# Altium PCB PCB1.PcbDoc (part 2 of 2)
Units mm, origin at the board's own origin, x right, y up, seen from the top; angles counter-clockwise.
Board outline 191 x 121 mm, 4 copper layers (Top Layer, GND, VCC, Bottom Layer), stack 0.603 mm thick; 158 components, 110 nets, 458 pads, 113 vias.
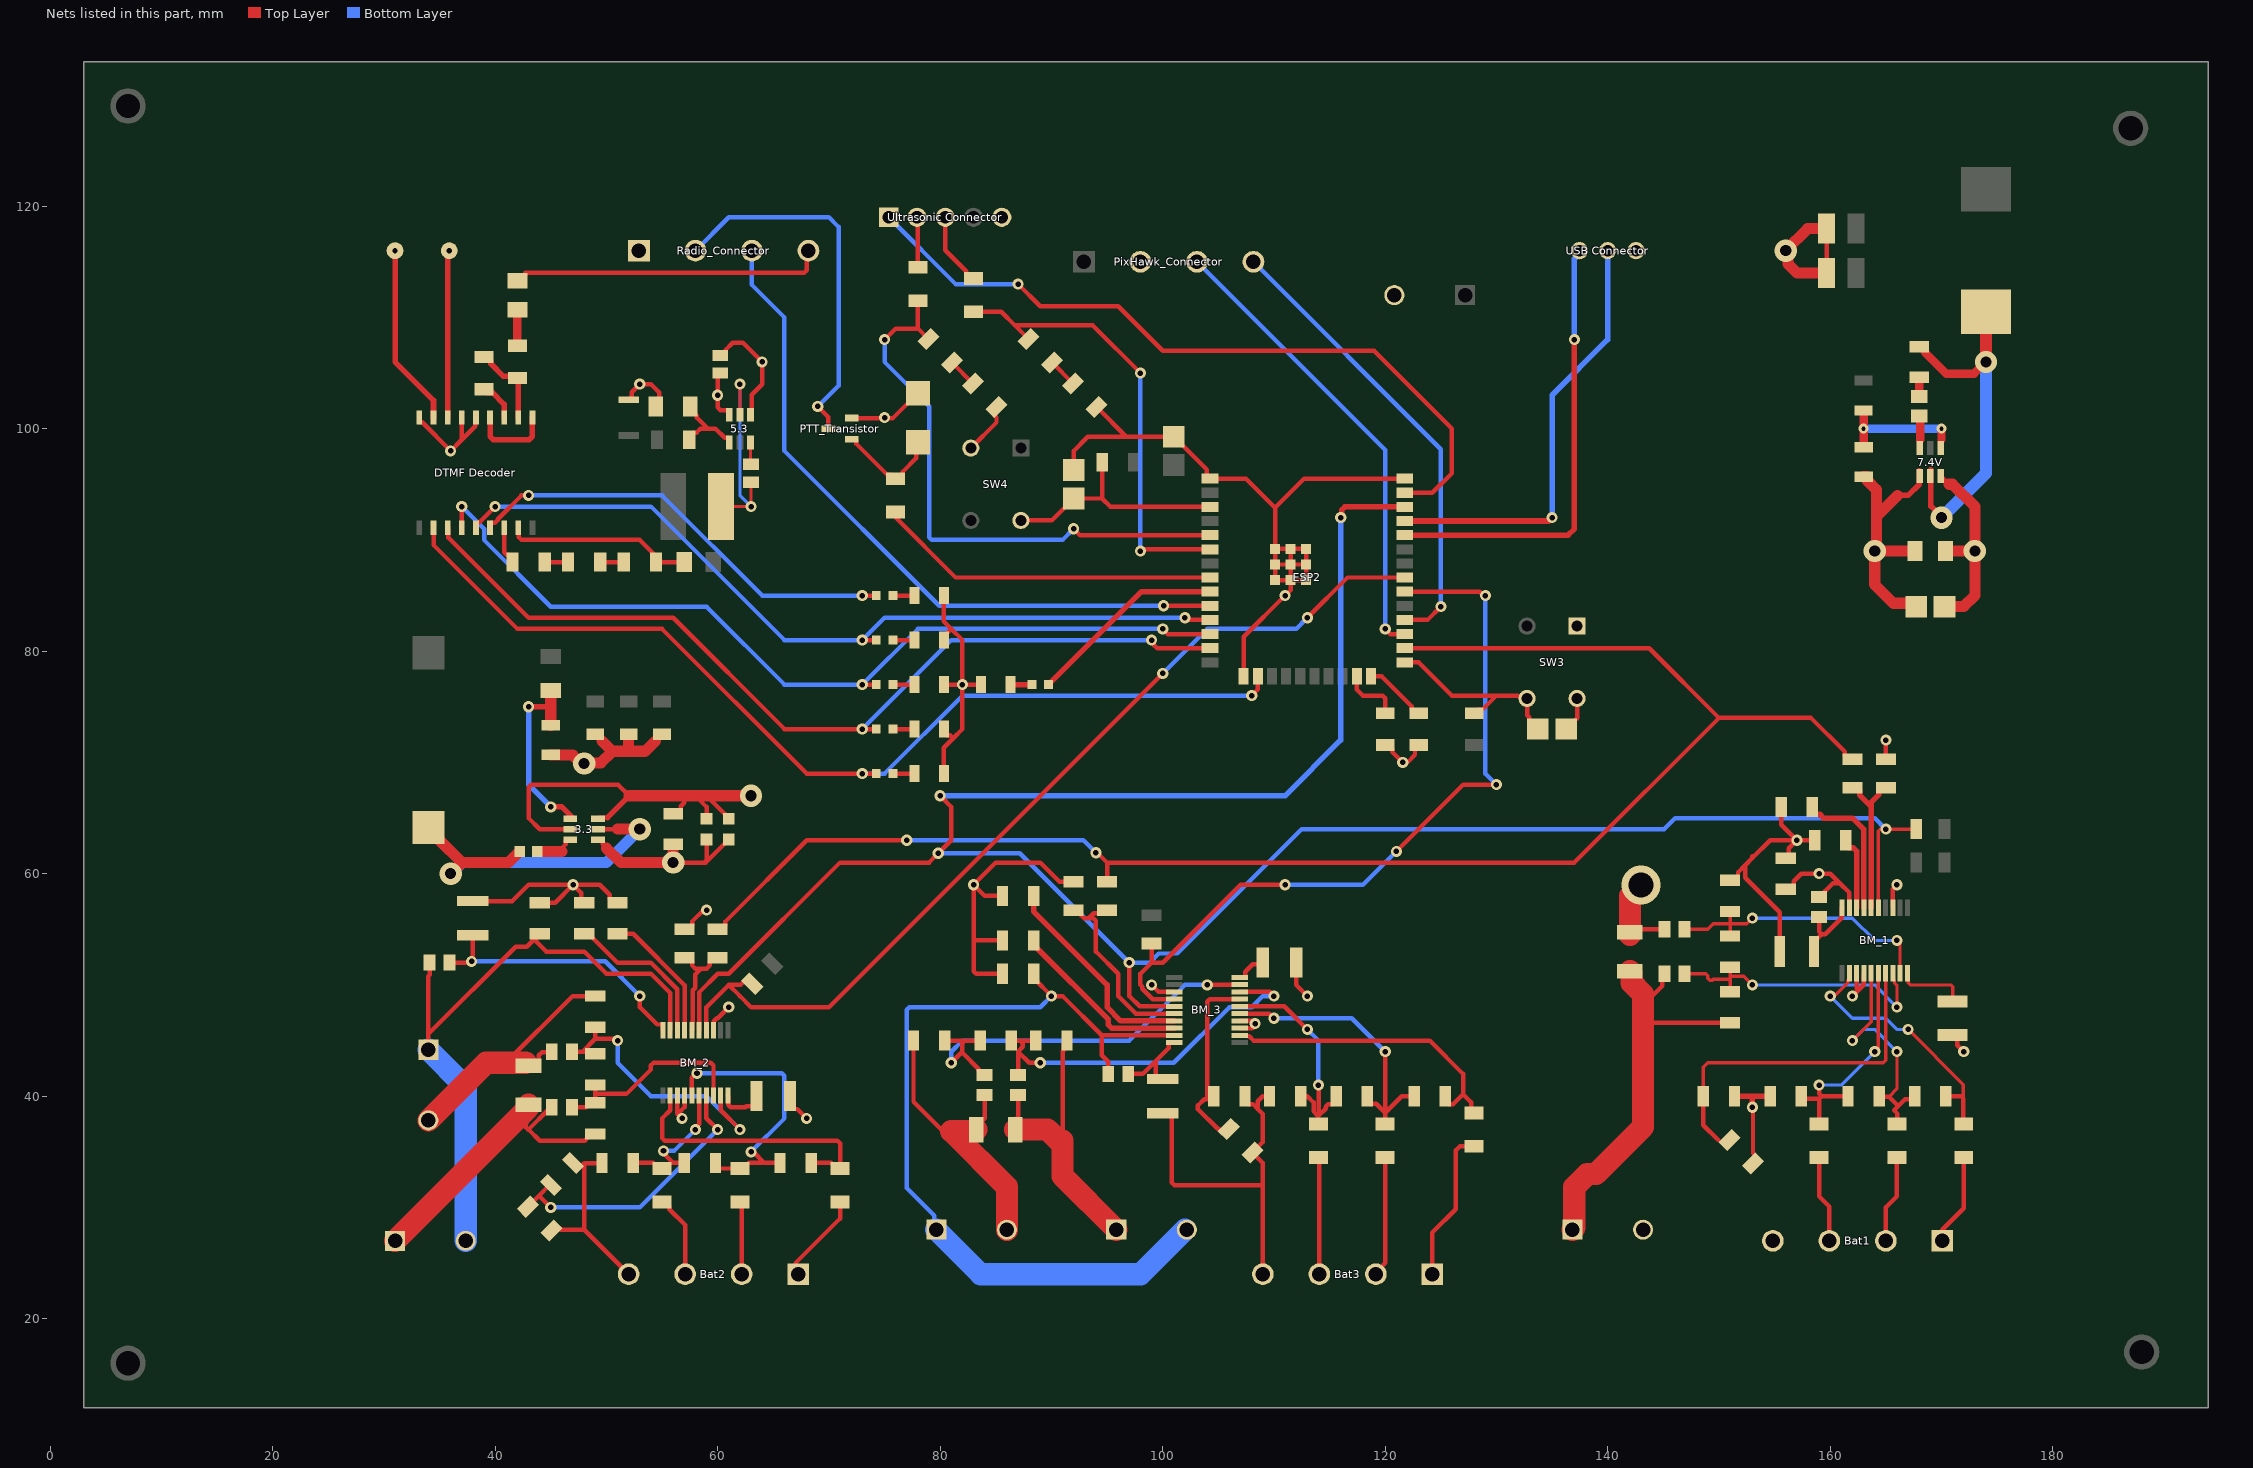
[diagram p4: the nets of this part, all layers, seen from the top]

## Via types
v1: diameter 1, hole 0.5, Top Layer to Bottom Layer, 98 vias
v2: diameter 2, hole 1, Top Layer to Bottom Layer, 6 vias
v3: diameter 2, hole 1, Top Layer to Bottom Layer, tented both sides, 4 vias
v4: diameter 0.889, hole 0.381, Top Layer to Bottom Layer, tented both sides, 2 vias
v5: diameter 1, hole 0.5, Top Layer to Bottom Layer, tented both sides, 2 vias
v6: diameter 3.5, hole 2.25, Top Layer to Bottom Layer, tented both sides, 1 vias

## Nets (pads, with @x,y where several pads share a name; then routed paths per layer and width w, separated by ;. In a path a pad name is that pad's centre, name@x,y a point inside that pad or via, vN(x,y) a via of type N, cw(c..) or ccw(c..) an arc to the next point about the centre after c; other vN are vias at no path point) (continued)
BM2_SDA: BM_2.4 ESP2.31 R39.1 | length 84.8
  Top Layer w0.4: BM_2.4@58.975,45.938 58.975,47.975 61,50 ; R39.1@63.098,50.098 62.856,50.34 62.397,50.34 62.056,50 61,50 ; v1(100,78) 70,48 63,48 62,49 61,50 ; v1(113,83) 116.62,86.62 ESP2.31@121.75,86.62
  Bottom Layer w0.4: v1(100,78) 104,82 112,82 v1(113,83)
BM3_SDA: BM_3.4 ESP2.30 R27.1 | length 70.2
  Top Layer w0.4: R27.1@99,53.725 99,52 ; BM_3.4@101.036,48.725 99.106,48.725 98.173,49.657 98.173,49.827 98,50 98,51 99,52 ; v1(111,59) 107,59 100,52 99,52 ; v1(121,62) 127,68 v1(130,68) ; ESP2.30@121.75,85.35 128.488,85.35 128.838,85 v1(129,85)
  Bottom Layer w0.4: v1(111,59) 118,59 v1(121,62) ; v1(129,85) 129,69 v1(130,68)
BM_SCL: BM_1.5 BM_2.5 BM_3.5 ESP2.36 R15.1 | length 213.5
  Top Layer w0.3: BM_1.5@164.325,56.938 164.325,63.824 164.501,64 v1(165,64) R15.1@167.725,64
  Top Layer w0.4: BM_2.5@58.325,45.938 58.325,49.325 60,51 61,51 71,61 79,61 79.832,61.832 81,63 81,66 v1(80,67) ; v1(97,52) 97,49 97.925,48.075 BM_3.5@101.036,48.075
  Top Layer w0.5: v1(116,92) 116.091,92.091 116.091,92.677 116.384,92.97 ESP2.36@121.75,92.97
  Bottom Layer w0.4: v1(79.824,61.839) 87.161,61.839 v1(97,52) 98.83,52 99.657,52.827 101.311,52.827 112.484,64 145.063,64 146.063,65 164,65 v1(165,64)
  Bottom Layer w0.5: v1(80,67) 111,67 116,72 v1(116,92)
BM_trig: ESP2.26 R20.1 R33.1 R45.1 | length 146.1
  Top Layer w0.4: R45.1@60,55 60.375,55 60.7,55.325 60.7,55.7 68,63 v1(77,63) ; v1@94,62 95,61 ; R33.1@95,59.275 95,61 ; ESP2.26@121.75,80.27 143.73,80.27 150,74 ; R20.1@162,70.275 161.625,70.275 161.3,70.6 161.3,70.975 158.275,74 150,74 ; 95,61 137,61 150,74
  Bottom Layer w0.4: v1(77,63) 92.877,63 v1(93.999,61.879)
EN: C2.2 ESP2.3 R1.2 SW4.2 | length 21.4
  Top Layer w0.4: SW4.2@87.25,91.75 90.026,91.75 91.223,92.947 91.247,92.947 92,93.7 C2.2@92,93.724 94.552,93.724 94.573,93.703 ; R1.2@94.573,97 94.573,93.703 ; ESP2.3@104.25,92.97 100.03,92.97 100,93 95.276,93 94.573,93.703
GND: 3.3.1 5.3.1 7.4V.1 "DTMF Decoder.5" "DTMF Decoder.6" "DTMF Decoder.9" "Ultrasonic Connector.5" "USB Connector.3" Bat1.4 Bat2.4 Bat3.4 Battery2_OUT.2 Battery3_OUT.2 BM_1.3 BM_1.13 BM_1.14 BM_2.3 BM_2.13 BM_2.14 BM_3.3 BM_3.13 BM_3.14 C2.1 C5.1 C6.1 C7.1 C10.1 C11.2 C12.1 C13.1 C16.1 C17.1 C18.1 C21.1 C22.2 C23.1 C24.1 C27.1 C28.1 C29.1 C32.1 C33.2 C34.1 C35.1 C38.2 C39.2 C41.2 C42.2 C43.1 C45.1 C46.1 C47.1 C48.1 C50.1 C51.1 C52.1 C53.2 D1.1 ESP2.1 ESP2.15 ESP2.38 ESP2.39 ESP2.40 ESP2.41 ESP2.42 ESP2.43 ESP2.44 ESP2.45 ESP2.46 ESP2.47 PixHawk_Connector.2 PTT_Transistor.2 R2.1 R3.1 R9.1 R10.1 R11.1 R12.1 R13.1 R16.2 R21.1 R23.2 R24.1 R26.1 R28.2 R32.2 R34.1 R36.1 R38.1 R40.2 R44.2 R46.1 R48.1 R50.1 R53.1 R55.1 R57.1 R62.2 R64.2 R65.1 Radio_Connector.1 SW3.1 SW4.3 Walkie_Talkie.2 | length 431.7
  Top Layer w0.4: 33.19,101 33.19,100.62 33.245,100.565 33.435,100.565 v1(36,98) 37,99 ; 37,101 37,99 ; C34.1@38,57.54 41.54,57.54 43,59 v1(47,59) ; 38.27,101 38.215,100.945 38.215,100.215 37,99 ; 40.963,43 46.963,49 C35.1@49,49 ; R50.1@42.75,43 R50.1@43,42.75 43.474,42.75 43.924,43.2 43.924,43.674 44.209,43.959 45.059,43.959 R48.1@45.1,44 ; C29.1@44,57.4 45.4,57.4 v1(47,59) ; R44.2@44.837,28 44.971,28.134 45.785,28.134 45.919,28 48,28 ; C33.2@46.99,33.99 47.273,33.707 47.711,33.707 47.994,33.99 ; C28.1@48,57.4 47.724,57.676 47.724,58.276 v1(47,59) ; C50.1@49,72.525 49.275,72.525 49.6,72.2 49.6,71.925 ; 3.3.1@49.25,63.05 49.575,63.05 49.675,62.95 49.675,62.625 50.015,62.285 ; C32.1@49.6,34 49.59,33.99 47.994,33.99 ; C27.1@51,57.4 50.6,57.4 50.29,57.71 50.29,58.11 49.4,59 v1(47,59) ; Bat2.4@52,24 48,28 ; C45.1@52,102.6 52.276,102.876 52.276,103.276 v1(53,104) 54,104 54.734,103.266 R55.1@54.734,102.316 ; 54.4,71.925 54.4,72.2 54.725,72.525 C52.1@55,72.525 ; R55.1@54.45,102.6 R55.1@54.734,102.316 ; v2(56,61) 58.766,61 ; BM_2.13@56.375,40.062 56.375,38.425 v1@56.566,38.234 ; v1(56.8,38) v1@56.566,38.234 ; R46.1@57,55 57.375,55 57.7,55.325 57.7,55.7 58.725,56.725 v1(59,56.725) ; BM_2.14@57.025,40.062 57.025,39.025 56.566,38.566 v1@56.566,38.234 ; C47.1@59,63.075 59,61.234 58.766,61 ; BM_2.3@59.625,45.938 59.65,45.963 59.65,46.738 59.915,47.003 60.003,47.003 v1(61,48) ; C43.1@60.215,106.58 60.43,106.58 60.71,106.86 60.71,107.075 61.364,107.729 61.939,107.729 62.271,107.729 v1(64,106) 64,104 63.05,103.05 63.05,101.35 5.3.1@62.95,101.25 ; C46.1@61,63.075 58.925,61 58.766,61 ; R40.2@66.5,40 66.5,39.2 66.85,38.85 67.15,38.85 v1(68,38) ; PTT_Transistor.2@72.05,100.955 75.755,100.955 77.1,102.3 77.125,102.3 78,103.175 D1.1@78,103.2 ; C24.1@77.91,45.31 C24.1@77.6,45 77.6,39.504 80.104,37 81,37 ; R9.1@80.325,69 80.325,71.325 81.163,72.162 ; R10.1@80.325,73 80.325,72.675 80.575,72.425 80.9,72.425 81.162,72.162 ; R11.1@80.325,77 v1(82,77) ; R12.1@80.325,81 80.575,81.25 80.575,81.575 81,82 ; R13.1@80.325,85 80.325,82.675 81,82 ; SW4.3@82.75,98.25 85.061,100.561 85.061,101.02 84.866,101.215 84.866,101.745 R62.2@85.061,101.939 ; R38.1@83.125,37.125 84,38 R36.1@84,40.1 ; R65.1@83.675,77 v1(82,77) ; C18.1@85.6,51 83.234,51 83,51.234 83,54 ; C17.1@85.6,54 83,54 ; C16.1@85.6,58 84,58 v1(83,59) ; R34.1@92,59.275 90.725,59.275 89,61 85,61 v1(83,59) ; C2.1@92,96.276 92,98 93.276,99.276 96.724,99.276 ; R64.2@94.061,101.939 96.724,99.276 ; v1(99,50) 99.625,49.375 BM_3.3@101.036,49.375 ; C23.1@100,38.46 100.566,38.46 100.826,38.2 100.826,32.234 101.06,32 109,32 ; BM_3.13@106.912,46.125 108.075,46.125 108.31,46.359 v1(108.31,46.525) 108.31,46.69 108.225,46.775 BM_3.14@106.912,46.775 ; ESP2.15@107.285,77.75 107.285,81.285 v1(111,85) 111.5,85.5 ESP2.44@111.5,86.39 ; C22.2@107.4,40 107.4,39.6 107.71,39.29 108.11,39.29 108.555,38.845 ; Bat3.4@109,24 109,32 ; 109,40 108.555,39.555 108.555,38.845 ; R28.2@112,52 112,50 v1(113,49) ; R2.1@120,71.573 120.302,71.573 120.631,71.244 120.631,70.942 v1(121.573,70) 122,70 122.678,70.678 122.678,71.251 R3.1@123,71.573 ; ESP2.38@121.75,95.51 112.71,95.51 110.1,92.9 ; R26.1@142,54.5 142.5,54.5 143,55 R24.1@145.1,55 ; C13.1@151,59.4 151.4,59.4 151.71,59.71 151.71,60.11 152.355,60.755 ; v1(153,39) 153.061,38.939 153.061,34.859 153.255,34.664 153.255,34.134 R23.2@153.061,33.939 ; 153,61.555 153,61.4 ; C12.1@155.46,53 155.46,56.54 152.355,59.645 152.355,60.755 ; C5.1@155.6,66 155.6,64.4 v1(157,63) ; C7.1@156,61.4 156.276,61.676 156.276,62.276 v1(157,63) ; C6.1@158.6,63 v1(157,63) ; C41.2@159.675,114 C42.2@159.675,118 ; v1(162,49) 162.512,49.512 ; BM_1.13@162.375,51.062 162.375,49.65 162.512,49.512 ; BM_1.14@163.025,51.062 163.025,50.025 162.512,49.512 ; R21.1@165,70.275 v1(165,72) ; BM_1.3@165.625,56.938 165.625,58.625 v1(166,59) ; R16.2@171,45.5 171.066,45.5 171.416,45.15 171.416,44.584 v1(172,44) ; 47.994,33.99 47.994,28.006 48,28 ; R55.1@54.734,102.316 54.75,102.3 54.9,102.15 54.9,102 54.734,102.166 R55.1@54.734,102.316 ; 81,82 82,81 v1(82,77) ; 81.163,72.162 82,73 v1(82,77) ; 83,54 v1(83,59) ; 96.724,99.276 97.138,99.276 C53.2@101,99.276 101,99.252 101.753,98.499 101.777,98.499 103.95,96.326 103.95,95.76 104.2,95.51 ESP2.1@104.25,95.51 107.49,95.51 110.1,92.9 ; 108.555,38.845 109,38.4 109,35.879 R32.2@108.061,34.939 109,34 109,32 ; ESP2.42@110.1,87.79 ESP2.41@110.1,89.19 ; ESP2.42@110.1,87.79 ESP2.43@110.1,86.39 ESP2.44@111.5,86.39 ; ESP2.42@110.1,87.79 ESP2.39@111.5,87.79 ; ESP2.41@110.1,89.19 110.1,92.9 ; ESP2.41@110.1,89.19 ESP2.40@111.5,89.19 ; ESP2.44@111.5,86.39 ESP2.39@111.5,87.79 ; ESP2.44@111.5,86.39 ESP2.45@112.9,86.39 ESP2.46@112.9,87.79 ; ESP2.39@111.5,87.79 ESP2.40@111.5,89.19 ; ESP2.39@111.5,87.79 ESP2.46@112.9,87.79 ; ESP2.40@111.5,89.19 ESP2.47@112.9,89.19 ESP2.46@112.9,87.79 ; 152.355,60.755 153,61.4 ; 153,61.4 154.6,63 v1(157,63)
  Top Layer w0.5: C11.2@151.4,40 153,40 ; v1(153,39) 153,40 ; C10.1@154.6,40 153,40 ; 166.05,94 167,94 168,95 168,95.75 7.4V.1@168,96.2
  Top Layer w1: R57.1@45,70.674 46.97,70.674 47.729,69.914 v2(48,69.914) 48.048,69.962 49.487,69.962 50.525,71 ; 49.6,71.925 50.525,71 ; 50.015,62.285 51.3,61 v2(56,61) ; C51.1@52,72.525 52,71.234 51.766,71 ; 54.4,71.925 53.475,71 51.766,71 ; v2@56,61.086 C48.1@56,62.63 ; C41.2@159.675,114 157,114 156.191,114.809 156.191,115.809 v2(156,116) 157.984,117.984 159.658,117.984 C42.2@159.675,118 ; R53.1@163,95.674 163.307,95.674 163.329,95.652 163.329,95.345 164.168,94.506 164.168,92.368 164.168,91.168 164.168,89.168 v2(164,89) ; 164.168,92.118 166.05,94 ; C39.2@167.447,89 v2(164,89) ; C38.2@167.448,84 167.146,84.302 165.698,84.302 164,86 v2(164,89) ; 50.525,71 51.766,71
  Top Layer w2: Battery2_OUT.2@34,37.825 39.175,43 40.963,43 R50.1@42.75,43 ; R38.1@83.25,37 83.1,36.85 81,36.85 86,31.85 Battery3_OUT.2@86,28 ; R26.1@142,54.5 R26.1@142,54.75 142,58 v6(143,59)
  other v1: 75,101
GND_BAT_1: Battery1.1 C15.2 R25.1 R26.2 | length 38.9
  Top Layer w0.4: R26.2@142,51.25 142.474,51.25 142.924,50.8 142.924,50.326 ; 143.18,47 143.58,46.6 C15.2@151,46.6 ; 144,49 144.909,49.909 144.909,50.809 R25.1@145.1,51
  Top Layer w2: Battery1.1@136.825,28 137,28.175 137,31.828 138.172,33 138.958,33 143.18,37.222 143.18,47 143.18,49.158 142.135,50.203 142.135,51.115 R26.2@142,51.25
GND_BAT_2: Battery2_IN.1 C37.2 R49.1 R50.2 | length 29.5
  Top Layer w0.4: R50.2@43,39.25 43.121,39.25 43.356,39.016 43.371,38.835 43.356,38.8 42.757,37.453 42.757,37.202 42.959,37 43,37 ; R49.1@45.1,39 44.775,38.775 43,37 ; C37.2@49,36.6 48.6,36.6 48.29,36.29 48.29,36.234 48.056,36 44,36 43,37
  Top Layer w2: Battery2_IN.1@31,27 43,39 R50.2@43,39.25
GND_BAT_3: Battery3_IN.1 C26.2 R37.1 R38.2 | length 26.7
  Top Layer w0.4: R38.2@86.9,37.15 86.9,38.031 87,38.131 R37.1@87,40.1 ; 90.327,36.327 91,37 91,44.056 91.09,44.146 91.09,44.69 C26.2@91.4,45
  Top Layer w2: R38.2@86.75,37 89.653,37 90.327,36.327 90.825,35.828 ; 91,36 91,32.825 Battery3_IN.1@95.825,28
GND_MIC: PTT_Transistor.3 Radio_Connector.2 | length 33.8
  Top Layer w0.4: v1(69,102) 69.95,101.05 PTT_Transistor.3@69.95,100
  Bottom Layer w0.4: Radio_Connector.2@58,116 61,119 70,119 70.865,118.135 70.865,103.865 v1(69,102)
IO0: C1.2 ESP2.25 R66.1 SW3.4 | length 18.5
  Top Layer w0.4: ESP2.25@121.75,79 123,79 125.991,76.009 130,76.009 ; R66.1@128,74.427 128.329,74.756 128.747,74.756 130,76.009 ; C1.2@134.021,72.979 133.721,72.979 132.947,73.753 132.947,74.053 132.75,74.25 SW3.4@132.75,75.75 132.532,75.968 131.987,75.968 131.946,76.009 130,76.009
Morse_LED: DL6.2 ESP2.9 | length 18
  Top Layer w0.5: DL6.2@89.75,77 98.1,85.35 ESP2.9@104.25,85.35
Net3.3_2: 3.3.2 C49.2 L3.1 | length 34
  Top Layer w0.4: 37,61 37.15,61.15 ; 3.3.2@49.25,64 51,64
  Top Layer w1: L3.1@34,64.15 34.95,63.2 34.95,63.05 37,61 ; v3(36,60) 37,61 ; C49.2@42.2,62 41.2,61 37,61 ; 51,64 v3(53,64)
  Bottom Layer w1: v3(36,60) 36.086,60 37.086,61 50,61 v3(53,64)
Net3.3_4: 3.3.4 R56.1 R57.2 | length 17.4
  Top Layer w0.5: v5(43,75) 45,75 ; v5(45,66) 46,66 3.3.4@47,65
  Top Layer w1: R57.2@45,73.326 45,75 R56.1@45,76.474
  Bottom Layer w0.5: v5(43,75) 43,68 v5(45,66)
Net3.3_6: 3.3.6 C49.1 | length 3.8
  Top Layer w0.4: 46,62 46,62.3 46.325,62.625 46.325,62.95 46.425,63.05 3.3.6@46.75,63.05
  Top Layer w1: C49.1@43.8,62 46,62
Net5.3_2: 5.3.2 C44.2 L2.1 | length 19.1
  Top Layer w0.3: L2.1@60.3,93 v1(63,93) C44.2@63,95.19 ; 5.3.2@62,101.25 v1(62,104)
  Bottom Layer w0.3: v1(62,104) 62,94 v1(63,93)
Net5.3_4: 5.3.4 R54.1 R55.2 | length 7.6
  Top Layer w0.4: R54.1@57.45,99 57.45,99.3 57.8,99.65 58.1,99.65 58.45,100 59.125,100 ; R55.2@57.55,102 57.55,101.75 58.125,101.175 58.125,101 59.125,100 ; 5.3.4@61.05,98.75 61.05,99.075 60.95,99.175 60.625,99.175 59.8,100 59.125,100
Net5.3_6: 5.3.6 C44.1 | length 2
  Top Layer w0.3: 5.3.6@62.95,98.75 62.95,96.86 C44.1@63,96.81
Net7.4V_2: 7.4V.2 C40.2 L1.1 | length 32.4
  Top Layer w0.5: 7.4V.2@169.05,96.3 169.05,93.043 170,92.093 v3(170,92)
  Top Layer w0.75: C40.2@168,107.37 168.13,107.37 168.525,106.975 168.525,106.845 170.422,104.948 172.936,104.948 173.988,106 v3(174,106)
  Top Layer w1.1: v3(174,106) L1.1@174,110.5
  Bottom Layer w1.1: v3(170,92) 174,96 v3(174,106)
Net7.4V_4: 7.4V.4 R52.1 R53.2 | length 11.3
  Top Layer w0.75: R53.2@163,98.326 v4(163,100) R52.1@163,101.65 ; 170,99 v4(170,100)
  Bottom Layer w0.75: v4(163,100) v4(170,100)
Net7.4V_6: 7.4V.6 R51.1 | length 2.1
  Top Layer w0.75: 168.1,99 R51.1@168.1,101.097
NetBat1_1: Bat1.1 R17.2 | length 7.3
  Top Layer w0.4: 170.08,28 172,29.92 R17.2@172,34.5
NetBat1_2: Bat1.2 R18.2 | length 7.4
  Top Layer w0.4: 165,28 165,30 166,31 R18.2@166,34.5 ; R18.2@165.35,34.125 R18.2@165.725,34.5
NetBat1_3: Bat1.3 R19.2 | length 6.9
  Top Layer w0.4: R19.2@159,34.5 159,31 159.92,30.08 159.92,28
NetBat2_1: Bat2.1 R41.2 | length 8.3
  Top Layer w0.4: Bat2.1@67.24,24 67,24.24 67,25 71,29 R41.2@71,30.5
NetBat2_2: Bat2.2 R42.2 | length 6.6
  Top Layer w0.4: R42.2@62,30.5 62.16,30.34 Bat2.2@62.16,24
NetBat2_3: Bat2.3 R43.2 | length 7.5
  Top Layer w0.4: R43.2@55,30.5 55.275,30.5 55.65,30.125 55.65,29.85 57.08,28.42 Bat2.3@57.08,24
NetBat3_1: Bat3.1 R29.2 | length 12.8
  Top Layer w0.4: Bat3.1@124.24,24 124.24,27.74 126.35,29.85 126.35,35.125 126.725,35.5 127,35.5
NetBat3_2: Bat3.2 R30.2 | length 10.8
  Top Layer w0.4: Bat3.2@119.16,24 119.16,24.169 120,25.009 R30.2@120,34.5
NetBat3_3: Bat3.3 R31.2 | length 10.5
  Top Layer w0.4: R31.2@114,34.5 114.08,34.42 Bat3.3@114.08,24
NetBM_1_6: BM_1.6 R20.2 R21.2 | length 14.1
  Top Layer w0.5: R20.2@162,67.725 162.375,67.725 162.65,67.45 162.65,67.075 163.675,66.05 ; BM_1.6@163.675,56.938 163.675,66.05 ; R21.2@165,67.725 164.625,67.725 164.35,67.45 164.35,67.075 163.675,66.4 163.675,66.05
NetBM_1_7: BM_1.7 C5.2 | length 12.7
  Top Layer w0.5: C5.2@158.4,66 158.4,65.6 158.66,65.34 159.06,65.34 159.4,65 162,65 163.025,63.975 BM_1.7@163.025,56.938
NetBM_1_8: BM_1.8 C6.2 | length 6.7
  Top Layer w0.5: C6.2@161.4,63 161.4,62.6 161.66,62.34 162.06,62.34 162.375,62.025 BM_1.8@162.375,56.938
NetBM_1_10: BM_1.10 C12.2 R22.2 | length 6.9
  Top Layer w0.4: C12.2@158.54,53 158.54,53.95 158.8,54.21 158.879,54.21 159.234,54.566 ; R22.2@159,56.1 159,54.8 159.234,54.566 ; BM_1.10@161.075,56.938 161.05,56.913 161.05,56.05 159.566,54.566 159.234,54.566
NetBM_1_12: BM_1.12 C8.2 R17.1 | length 22.6
  Top Layer w0.3: v1(160,49) 160.134,49.134 160.501,49.134 161.577,50.21 161.577,50.401 BM_1.12@161.725,50.549 ; v1(167,46) 171.959,41.041 171.959,39.766
  Top Layer w0.4: C8.2@170.4,40 171.725,40 ; R17.1@171.959,37.541 171.959,39.766
  Bottom Layer w0.3: v1(160,49) 162,47 165,47 166,46 v1(167,46)
NetBM_1_15: BM_1.15 C8.1 C9.2 R18.1 | length 21.7
  Top Layer w0.3: v1(162,45) 163.675,46.675 BM_1.15@163.675,51.062 ; 165.288,39.953 166,40.665 v1(166,44)
  Top Layer w0.4: C9.2@164.4,39.953 165.288,39.953 166.12,39.12 ; R18.1@166.041,37.541 166.041,38.441 165.741,38.741 166.12,39.12 ; C8.1@167.324,39.724 166.724,39.724 166.12,39.12
  Bottom Layer w0.3: v1(162,45) 163,46 164,46 v1(166,44)
NetBM_1_16: BM_1.16 C9.1 C10.2 R19.1 | length 20.4
  Top Layer w0.3: v1@164.325,44.325 BM_1.16@164.325,51.062
  Top Layer w0.4: C10.2@157.634,39.766 159,39.766 ; R19.1@159,37.5 159,39.766 ; v1(159,41) 159,40.234 159.234,40 ; C9.1@161.6,40 159.234,40 ; 159,39.766 159.234,40
  Bottom Layer w0.3: v1(159,41) 161,41 v1(164,44)
NetBM_1_17: BM_1.17 C11.1 R23.1 | length 31.2
  Top Layer w0.3: C11.1@148.6,40 148.6,42.6 149,43 164.766,43 165,43.234 BM_1.17@165,51.037
  Top Layer w0.4: C11.1@148.6,39.6 148.6,37.4 149.939,36.061
NetBM_1_18: BM_1.18 C14.2 C15.1 R25.2 | length 26.1
  Top Layer w0.3: R25.2@146.9,51 148.824,51 149,50.824 149,50.6 149.176,50.424 149.424,50.424 149.5,50.5 151,50.5 ; C15.1@151,49.4 151,50.5 ; C14.2@151,51.6 151,51.05 151,50.775 ; v1(153,50) 152.225,50.775 151,50.775 ; BM_1.18@165.625,51.062 165.625,50.549 165.773,50.401 165.773,50.21 166,49.983 v1(166,48) ; 151,50.5 151,50.775
  Bottom Layer w0.3: v1(153,50) 164,50 v1(166,48)
NetBM_1_19: BM_1.19 C13.2 C14.1 R24.2 | length 25.2
  Top Layer w0.3: R24.2@146.9,55 149,55 149.5,55.5 151,55.5 ; C14.1@151,54.4 151,55.5 ; C13.2@151,56.6 151,56 151,55.5 ; v1(153,56) 152.5,55.5 151,55.5 ; BM_1.19@166.275,51.062 v1@166.275,53.725
  Bottom Layer w0.3: v1(153,56) 162,56 164,54 v1(166,54)
NetBM_1_20: BM_1.20 R16.1 | length 6.4
  Top Layer w0.3: BM_1.20@166.925,51.062 167,50.987 167,50.176 167.176,50 168,50 169.5,50 170.824,50 171,49.824 R16.1@171,48.5
NetBM_2_6: BM_2.6 R45.2 R46.2 | length 10.1
  Top Layer w0.4: R46.2@57,52.45 57.375,52.45 57.7,52.125 57.7,51.75 58,51.45 58.5,51.45 ; BM_2.6@57.675,45.938 57.7,45.963 57.7,46.637 57.773,46.71 57.773,49.518 58,49.745 58,50.95 58.5,51.45 ; R45.2@60,52.45 59.625,52.45 59.3,52.125 59.3,51.75 59,51.45 58.5,51.45
NetBM_2_7: BM_2.7 C27.2 | length 12
  Top Layer w0.4: C27.2@51,54.6 52.4,54.6 57.025,49.975 BM_2.7@57.025,45.938
NetBM_2_8: BM_2.8 C28.2 | length 14.1
  Top Layer w0.4: C28.2@48,54.6 48.4,54.6 48.71,54.29 51,52 54,52 56.375,49.625 BM_2.8@56.375,45.938
NetBM_2_10: BM_2.10 C34.2 R47.2 | length 25
  Top Layer w0.4: R47.2@35.9,52 37.766,52 v1(37.883,52.117) 38,52.234 C34.2@38,54.46 ; v1(53,49) 53,48.013 54.569,46.444 55.05,46.444 55.075,46.419 BM_2.10@55.075,45.938
  Bottom Layer w0.4: v1(37.883,52.117) 49.883,52.117 v1(53,49)
NetBM_2_12: BM_2.12 C30.2 R41.1 | length 25.3
  Top Layer w0.4: BM_2.12@55.725,40.062 55.725,38.725 55,38 55,36.234 55.234,36 70.766,36 71,35.766 R41.1@71,33.56 ; C30.2@68.4,34 70.225,34 70.725,33.5 R41.1@71,33.5
NetBM_2_15: BM_2.15 C30.1 C31.2 R42.1 | length 26
  Top Layer w0.4: BM_2.15@57.675,40.062 57.675,41.675 v1@58,42 ; C31.2@59.8,34 59.8,33.81 60.11,33.5 R42.1@62,33.5 62.275,33.5 62.775,34 64.187,34 ; v1(63,35) 63.187,35 64.187,34 ; C30.1@65.6,34 64.187,34
  Bottom Layer w0.4: v1(58.143,42.066) 65.766,42.066 66,41.832 66,38 v1(63,35)
NetBM_2_16: BM_2.16 C31.1 C32.2 R43.1 | length 13.3
  Top Layer w0.4: C32.2@52.4,34 54.225,34 54.725,33.5 R43.1@55,33.5 55.275,33.5 55.775,34 56,34 ; v1@55,35 56,34 ; C31.1@57,34 56,34 ; v1(58,37) 58,37.162 58.325,37.487 BM_2.16@58.325,40.062
  Bottom Layer w0.4: v1(55.133,35.079) 56.079,35.079 v1(58,37)
NetBM_2_17: BM_2.17 C33.1 R44.1 | length 25.8
  Top Layer w0.4: R44.1@42.939,30.061 43.939,31.061 ; v1(45,30) 43.939,31.061 ; C33.1@45.01,32.01 44.889,32.01 43.939,31.061 ; BM_2.17@58.975,40.062 58.975,38.025 v1(60,37)
  Bottom Layer w0.4: v1(45,30) 53,30 v1(60,37)
NetBM_2_18: BM_2.18 C36.2 C37.1 R49.2 | length 18.7
  Top Layer w0.4: R49.2@46.9,39 48.2,39 48.6,39.4 C37.1@49,39.4 49,40.2 ; C36.2@49,41 49,40.2 ; BM_2.18@59.625,40.062 59.625,42.766 59.391,43 54.234,43 54,42.766 54,42.4 51.8,40.2 49,40.2
NetBM_2_19: BM_2.19 C35.2 C36.1 R48.2 | length 26.2
  Top Layer w0.4: R48.2@46.9,44 47.85,44 ; C36.1@49,43.8 48.8,44 47.85,44 ; C35.2@49,46.2 49,45.15 ; v1(51,45) 50.85,45.15 49,45.15 ; BM_2.19@60.275,40.062 60.275,38.725 v1(62,37) ; 47.85,44 49,45.15
  Bottom Layer w0.4: v1(51,45) 51,43 54,40 59,40 v1(62,37)
NetBM_2_20: BM_2.20 R40.1 | length 4.2
  Top Layer w0.4: BM_2.20@60.925,40.062 60.95,40.037 60.95,39.234 61.184,39 62.5,39 62.584,39.084 63.15,39.084 63.5,39.434 R40.1@63.5,40
NetBM_3_6: BM_3.6 R33.2 R34.2 | length 17.7
  Top Layer w0.4: R34.2@92,56.725 92.375,56.725 92.7,56.4 92.7,56.234 92.934,56 93.35,56 ; R33.2@95,56.725 94.726,56.451 93.801,56.451 93.35,56 ; BM_3.6@101.036,47.425 97.575,47.425 96,49 96,51 94,53 94,55.766 93.766,56 93.35,56
NetBM_3_7: BM_3.7 C16.2 | length 19.3
  Top Layer w0.5: C16.2@88.4,58 88.4,56.6 95,50 95,48 96.225,46.775 BM_3.7@101.036,46.775
NetBM_3_8: BM_3.8 C17.2 | length 16.8
  Top Layer w0.5: C17.2@88.27,54.198 88.14,54.198 88.4,53.938 88.4,53.6 88.66,53.34 95.125,46.875 95.125,46.417 95.417,46.125 BM_3.8@101.036,46.125
NetBM_3_10: BM_3.10 C23.2 R35.2 | length 7.7
  Top Layer w0.4: R35.2@96.9,42 98.211,42 99.371,43.159 ; C23.2@100,41.54 99.631,41.54 99.371,41.8 99.371,43.159 ; BM_3.10@101.036,44.825 100.555,44.825 100.53,44.8 100.53,44.319 99.371,43.159
NetBM_3_12: BM_3.12 C19.2 R29.1 | length 27.9
  Top Layer w0.4: BM_3.12@106.912,45.475 106.937,45.45 107.611,45.45 107.684,45.377 107.785,45.377 108.161,45 124,45 127,42 127,40.174 ; C19.2@125.4,40 125.4,39.6 125.71,39.29 126.116,39.29 127,40.174 ; R29.1@128,38.5 127.734,38.766 127.734,39.441 127,40.174
NetBM_3_15: BM_3.15 C19.1 C20.2 R30.1 | length 27.1
  Top Layer w0.4: BM_3.15@106.912,47.425 109.575,47.425 v1(110,47) ; C20.2@118.4,40 C20.2@118.4,39.626 ; C20.2@118.71,39.29 118.4,39.6 C20.2@118.4,39.626 ; R30.1@120,37.5 120,38.5 ; v1(120,44) 120,38.5 ; C19.1@122.6,40 121.5,40 120,38.5 ; C20.2@118.4,39.626 118.71,39.316 119.184,39.316 120,38.5
  Bottom Layer w0.4: v1(110,47) 117,47 v1(120,44)
NetBM_3_16: BM_3.16 C20.1 C21.2 R31.1 | length 20.6
  Top Layer w0.4: BM_3.16@106.912,48.075 110.925,48.075 v1(113,46) ; C21.2@112.4,40 113,40 113.559,39.441 113.559,38.626 113.947,38.238 114.013,38.238 ; v1@114.013,40.987 114.013,38.238 ; C20.1@115.6,40 115.6,39.6 115.29,39.29 114.884,39.29 114.65,39.056 114.65,38.875 114.013,38.238
  Bottom Layer w0.4: v1(113,46) 114,45 v1(114,41)
NetBM_3_17: BM_3.17 C22.1 R32.1 | length 17.3
  Top Layer w0.4: 104,40 104,48.49 104.234,48.725 BM_3.17@106.912,48.725 ; C22.1@104.6,40 104.324,39.724 103.724,39.724 103.166,39.166 103.166,38.834 104.939,37.061 105.02,37.061 105.215,36.866 105.745,36.866 R32.1@105.939,37.061
NetBM_3_18: BM_3.18 C25.2 C26.1 R37.2 | length 34.6
  Top Layer w0.4: C25.2@86.4,45 87.2,45 ; R37.2@87,41.9 87,44 ; C26.1@88.6,45 87.2,45 ; v1(89,43) 88,43 87,44 ; BM_3.18@106.912,49.375 109.625,49.375 v1(110,49) ; 87,44 87.434,44.434 87.434,44.766 87.2,45
  Bottom Layer w0.4: v1@89.078,43 101,43 106,48 108,48 109,49 v1(110,49)
NetBM_3_19: BM_3.19 C24.2 C25.1 R36.2 | length 38.1
  Top Layer w0.4: C24.2@80.4,45 82.234,45 ; v1(81,43) 81.9,43.9 82,43.9 ; C25.1@83.6,45 82.234,45 ; R36.2@84,41.9 83.8,41.9 83.475,42.225 83.475,42.425 82,43.9 ; v1(104,50) 106.887,50 BM_3.19@106.912,50.025 ; 82,43.9 82,44.766 82.234,45
  Bottom Layer w0.4: v1(81,43) 81,44 82,45 97,45 102,50 v1(104,50)
NetBM_3_20: BM_3.20 R28.1 | length 2.9
  Top Layer w0.4: BM_3.20@106.912,50.675 107.392,50.675 107.417,50.7 107.417,51.18 108.084,51.847 108.847,51.847 R28.1@109,52
NetC1_1: C1.1 SW3.2 | length 3.2
  Top Layer w0.4: C1.1@136.276,73 136.3,73 137.053,73.753 137.053,73.777 137.25,73.974 SW3.2@137.25,75.75
NetC3_2: C3.2 R4.1 | length 3.3
  Top Layer w0.75: R4.1@42,107.45 C3.2@42,110.7
NetC4_1: "DTMF Decoder.17" C4.1 R8.2 | length 17.9
  Top Layer w0.4: 42.08,91.094 42.135,91.039 42.135,90.234 42.369,90 53,90 55,88 ; R8.2@54.45,88 55,88 ; 55.725,88 55,88 ; C4.1@57,88 55,88
NetC40_1: C40.1 R51.2 | length 1.4
  Top Layer w0.75: R51.2@168,103.246 C40.1@168,104.63
NetCO1_1: "DTMF Decoder.7" CO1.1 | length 15.1
  Top Layer w0.5: 35.735,101.005 35.73,101 35.73,115.85 CO1.1@35.88,116
NetCO1_2: "DTMF Decoder.8" CO1.2 | length 16.4
  Top Layer w0.5: CO1.2@31,116 31,106 34.46,102.54 34.46,101
NetD1_2: D1.2 PTT_Transistor.1 R58.1 | length 9.9
  Top Layer w0.4: PTT_Transistor.1@72.05,99.045 72.375,99.045 72.475,98.945 72.475,98.62 75.22,95.875 75.625,95.875 R58.1@76,95.5 76.275,95.5 76.65,95.875 76.65,96.15 77.834,97.334 77.834,98.634 D1.2@78,98.8
NetDL1_1: DL1.1 R9.2 | length 1.9
  Top Layer w0.4: DL1.1@75.75,69 77,69 R9.2@77.675,69
NetDL2_1: DL2.1 R10.2 | length 1.9
  Top Layer w0.4: DL2.1@75.75,73 R10.2@77.675,73
NetDL3_1: DL3.1 R11.2 | length 1.9
  Top Layer w0.4: DL3.1@75.75,77 R11.2@77.675,77
NetDL4_1: DL4.1 R12.2 | length 1.9
  Top Layer w0.4: DL4.1@75.75,81 R12.2@77.675,81
NetDL5_1: DL5.1 R13.2 | length 1.9
  Top Layer w0.4: DL5.1@75.75,85 R13.2@77.675,85
NetDL5_2: "DTMF Decoder.15" DL5.2 | length 39.9
  Top Layer w0.4: 39.54,91.094 39.54,91.474 39.595,91.529 39.975,91.529 40.228,91.782 40.228,91.864 42.364,94 v1(43,94) ; v1(73,85) DL5.2@74.25,85
  Bottom Layer w0.4: v1(43,94) 55,94 64,85 v1(73,85)
NetDL6_1: DL6.1 R65.2 | length 1.9
  Top Layer w0.5: R65.2@86.325,77 DL6.1@88.25,77
"NetDTMF Decoder_1": "DTMF Decoder.1" "DTMF Decoder.4" | length 7.5
  Top Layer w0.5: 39.54,101 39.54,99.293 39.833,99 43.057,99 43.35,99.293 43.35,101
"NetDTMF Decoder_2": "DTMF Decoder.2" R4.2 R5.1 | length 8.4
  Top Layer w0.5: R5.1@39,106.45 39.3,106.45 39.6,106.15 39.6,105.85 40.72,104.73 R4.2@41.52,104.73 ; R4.2@41.4,104.85 R4.2@41.52,104.73 ; 42.08,101 R4.2@42.08,104.47 ; R4.2@41.52,104.73 41.82,104.73 R4.2@42,104.55 R4.2@42.08,104.47 ; R4.2@41.52,104.73 41.78,104.47 R4.2@42.08,104.47
"NetDTMF Decoder_3": "DTMF Decoder.3" R5.2 | length 3.6
  Top Layer w0.5: R5.2@39,103.55 39.3,103.25 39.75,103.25 40.81,102.19 40.81,101
"NetDTMF Decoder_16": "DTMF Decoder.16" R6.1 | length 3.5
  Top Layer w0.4: 40.81,91.094 40.81,88.884 41.044,88.65 41.2,88.65 41.55,88.3 R6.1@41.55,88
NetESP2_23: ESP2.23 R2.2 | length 4.8
  Top Layer w0.4: ESP2.23@117.445,77.75 117.445,76.555 118,76 119.766,76 120,75.766 120,75
NetESP2_24: ESP2.24 R3.2 | length 5.8
  Top Layer w0.4: ESP2.24@118.715,77.75 119.677,77.75 122.369,75.058 122.369,74.756 122.698,74.427 R3.2@123,74.427
NetR6_2: R6.2 R7.1 | length 2.1
  Top Layer w0.4: R6.2@44.45,88 R7.1@46.55,88
NetR7_2: R7.2 R8.1 | length 2.1
  Top Layer w0.4: R7.2@49.45,88 R8.1@51.55,88
NetR61_2: R61.2 R62.1 | length 2.7
  Top Layer w0.4: R61.2@81.061,105.939 R62.1@82.939,104.061
NetR63_2: R63.2 R64.1 | length 2.7
  Top Layer w0.4: R63.2@90.061,105.939 R64.1@91.939,104.061
PTT_Trans: ESP2.8 R58.2 | length 30.6
  Top Layer w0.4: R58.2@75.886,92.114 81.38,86.62 ESP2.8@104.25,86.62
Q1: "DTMF Decoder.11" DL1.2 ESP2.16 | length 89.7
  Top Layer w0.4: 34.46,91.094 34.46,89.54 42,82 55,82 68,69 v1(73,69) DL1.2@74.25,69 ; v1(108,76) 108.555,76.555 ESP2.16@108.555,77.75
  Bottom Layer w0.4: v1(73,69) 75,69 82,76 v1(108,76)
Q2: "DTMF Decoder.12" DL2.2 ESP2.13 | length 81.5
  Top Layer w0.4: 35.73,91.094 35.785,91.039 35.785,90.215 43,83 56,83 66,73 v1(73,73) DL2.2@74.25,73 ; v1(99,81) 99,80.838 99.26,80.578 99.26,80.504 99.494,80.27 ESP2.13@104.25,80.27
  Bottom Layer w0.4: v1(73,73) 81,81 v1(99,81)
Q3: "DTMF Decoder.13" DL3.2 ESP2.12 | length 79.9
  Top Layer w0.4: 37,91.094 v1(37,93) ; v1(73,77) DL3.2@74.25,77 ; v1(100,82) 100.46,81.54 ESP2.12@104.25,81.54
  Bottom Layer w0.4: v1(37,93) 39,91 39,90 45,84 59,84 66,77 v1(73,77) ; v1(73,77) 78,82 v1(100,82)
Q4: "DTMF Decoder.14" DL4.2 ESP2.11 | length 74.1
  Top Layer w0.4: 38.27,91.094 38.27,91.474 38.325,91.529 38.529,91.529 v1(40,93) ; v1(73,81) DL4.2@74.25,81 ; v1(102,83) 102.162,83 102.352,82.81 ESP2.11@104.25,82.81
  Bottom Layer w0.4: v1(40,93) 54,93 66,81 v1(73,81) 75,83 v1(102,83)
Radio_IN: C3.1 Radio_Connector.4 | length 28.3
  Top Layer w0.4: C3.1@42,113.3 42.2,113.3 42.7,113.8 42.7,114 67.766,114 68,114.234 68,115.84 Radio_Connector.4@68.16,116
RX_PIX: ESP2.28 PixHawk_Connector.4 | length 41.7
  Top Layer w0.4: ESP2.28@121.75,82.81 123.81,82.81 v1(125,84)
  Bottom Layer w0.4: PixHawk_Connector.4@108.16,115 125,98.16 v1(125,84)
RX_USB: "USB Connector.2" ESP2.35 | length 39.4
  Top Layer w0.5: ESP2.35@121.75,91.7 134.7,91.7 v1(135,92)
  Bottom Layer w0.5: v1(135,92) 135,103 140,108 140,116
Transmit_DAC: ESP2.10 Radio_Connector.3 | length 63.3
  Top Layer w0.4: v1@100,84 v1(100.08,84.08) ESP2.10@104.25,84.08
  Bottom Layer w0.4: Radio_Connector.3@63.08,116 63.08,112.92 66,110 66,98 79.92,84.08 v1(100.08,84.08)
TX_PIX: ESP2.27 PixHawk_Connector.3 | length 41.9
  Top Layer w0.4: v1(120,82) 120.46,81.54 ESP2.27@121.75,81.54
  Bottom Layer w0.4: PixHawk_Connector.3@103.08,115 120,98.08 v1(120,82)
TX_USB: "USB Connector.1" ESP2.34 | length 40.7
  Top Layer w0.5: ESP2.34@121.75,90.43 136.43,90.43 137,91 v1(137,108)
  Bottom Layer w0.5: v1(137,108) 137,115.256 137.46,115.716 137.46,116
Ultra_Echo_1: "Ultrasonic Connector.2" R60.1 | length 4.5
  Top Layer w0.4: 77.92,119 78,118.92 R60.1@78,114.5
Ultra_Echo_2: "Ultrasonic Connector.3" R59.1 | length 6.7
  Top Layer w0.4: 80.46,119 80.46,116.04 82.35,114.15 82.35,113.875 82.725,113.5 R59.1@83,113.5
US_Echo1: ESP2.5 R60.2 R61.1 | length 52.7
  Top Layer w0.4: v1(75,108) 76,109 78,109 ; R60.2@78,111.5 78,109 ; R61.1@78.939,108.061 78,109 ; v1(92,91) 92.57,90.43 ESP2.5@104.25,90.43
  Bottom Layer w0.4: v1(75,108) 75,106 79,102 79,90.234 79.234,90 91,90 v1(92,91)
US_Echo2: ESP2.6 R59.2 R63.1 | length 41.3
  Top Layer w0.4: R59.2@83,110.5 85.5,110.5 86.72,109.28 ; R63.1@87.939,108.061 86.72,109.28 ; v1(98,89) 98.16,89.16 ESP2.6@104.25,89.16 ; v1(98,105) 93.72,109.28 86.72,109.28
  Bottom Layer w0.4: v1(98,89) v1(98,105)
US_Trig: "Ultrasonic Connector.1" ESP2.37 | length 67.5
  Top Layer w0.4: v1(87,113) 89,111 96,111 100,107 119,107 126,100 126,96 124.24,94.24 ESP2.37@121.75,94.24
  Bottom Layer w0.4: 75.38,119 81.38,113 v1(87,113)
VCC: 3.3.3 3.3.5 5.3.3 7.4V.3 Battery1.2 BM_1.9 C7.2 C38.1 C39.1 C43.2 C46.2 C47.2 C48.2 R22.1 | length 72.6
  Top Layer w0.4: 3.3.5@46.75,64 44,64 43,65 43,67.766 43.234,68 51.045,68 52.045,67 ; 3.3.3@49.25,64.95 49.35,65.05 50.095,65.05 ; C48.2@56,65.37 56.37,65.37 56.69,65.69 56.69,66.06 57,66.37 57,67 ; 58,67 59,66 C47.2@59,64.925 ; 59,67 60.675,65.325 60.675,65.25 60.925,65 C46.2@61,65 ; C43.2@60.215,105 60,104.785 v1(60,103) 60,101.909 60.234,101.675 60.95,101.675 61.05,101.575 5.3.3@61.05,101.25 ; C7.2@156,58.6 156.4,58.6 156.71,58.91 156.71,59.31 157.4,60 v1(159,60) 160,60 160.85,59.15 ; R22.1@159,57.9 159.2,57.9 159.525,58.225 159.525,58.425 160.25,59.15 160.85,59.15 ; 161,59 160.85,59.15 ; BM_1.9@161.725,56.938 161.7,56.963 161.7,58.3 160.85,59.15 ; 7.4V.3@169.95,95.75 170.7,95
  Top Layer w0.5: 50.095,65.05 52.045,67
  Top Layer w1: 52.045,67 57,67 58,67 59,67 v2(63,67) ; C38.1@170.276,84 172,84 173,85 v2(173,89) ; C39.1@170.376,89 v2(173,89) ; 170.7,95 171,95 173,93 v2(173,89)
VCC_Bat2: Battery2_IN.2 Battery2_OUT.1 BM_2.9 C29.2 R47.1 | length 58.3
  Top Layer w0.4: Battery2_OUT.1@34,44.175 34,45.6 ; R47.1@34.1,52 34.1,50.9 34,50.8 34,45.6 ; C29.2@43.4,54.6 43.7,54.3 43.71,54.29 43.71,53.89 44.6,53 48,53 50,51 54,51 55.725,49.275 BM_2.9@55.725,45.938 ; C29.2@44,54.6 42.845,53.445 41.845,53.445 34,45.6
  Bottom Layer w2: Battery2_OUT.1@34,44.175 37.35,40.825 Battery2_IN.2@37.35,27
VCC_Bat3: Battery3_IN.2 Battery3_OUT.1 BM_3.9 C18.2 R35.1 | length 79.1
  Top Layer w0.4: C18.2@88.4,51 88.4,50.6 v1(90,49) 91,49 94.525,45.475 ; R35.1@95.1,42 95.1,43.1 94.525,43.675 94.525,45.475 ; BM_3.9@101.011,45.5 BM_3.9@101.036,45.475 94.525,45.475
  Bottom Layer w0.4: Battery3_OUT.1@79.65,28 79.481,28.169 79.481,29.266 77,31.746 77,47.766 77.234,48 89,48 v1(90,49) ; Battery3_IN.2@102,28 Battery3_IN.2@102.175,28
  Bottom Layer w2: Battery3_OUT.1@79.65,28 83.65,24 98,24 Battery3_IN.2@102,28
pads on no net: 5.3.5 7.4V.5 ?.1 BM_1.1 BM_1.2 BM_1.11 BM_2.1 BM_2.2 BM_2.11 BM_3.1 BM_3.2 BM_3.11 ESP2.4 ESP2.7 ESP2.14 ESP2.17 ESP2.18 ESP2.19 ESP2.20 ESP2.21 ESP2.22 ESP2.29 ESP2.32 SW3.3 SW4.1 SW4.4

## Polygon pours and split planes (outlines as drawn)
VCC on VCC "NONET_L-01_P-001" (solid, pour order 4): 26,125 179,125 180,124 180,21 28,21 26,23
GND on GND "NONET_L-01_P-001" (solid, pour order 2): 23,127 183,127 183,18 24,18

## Silkscreen, mask and mechanical layers (free items; w line width, h text height)
Top Overlay:
  text "FoxBot Rev1.0" at 26.254,123.254 h1.52
Board:
  the board outline again, w0.254

## Text inside footprints (layer, text, board x,y; h text height)
"DTMF Decoder": Top Overlay "1" at 43.096,102.651 h0.51 r270